# Altium PCB srn-0006.PcbDoc (part 2 of 2)
Units mm, origin at the board's own origin, x right, y up, seen from the top; angles counter-clockwise.
Board outline 140 x 46.5 mm, 2 copper layers (Top Layer, Bottom Layer), stack 1.57 mm thick; 89 components, 59 nets, 288 pads, 123 vias.
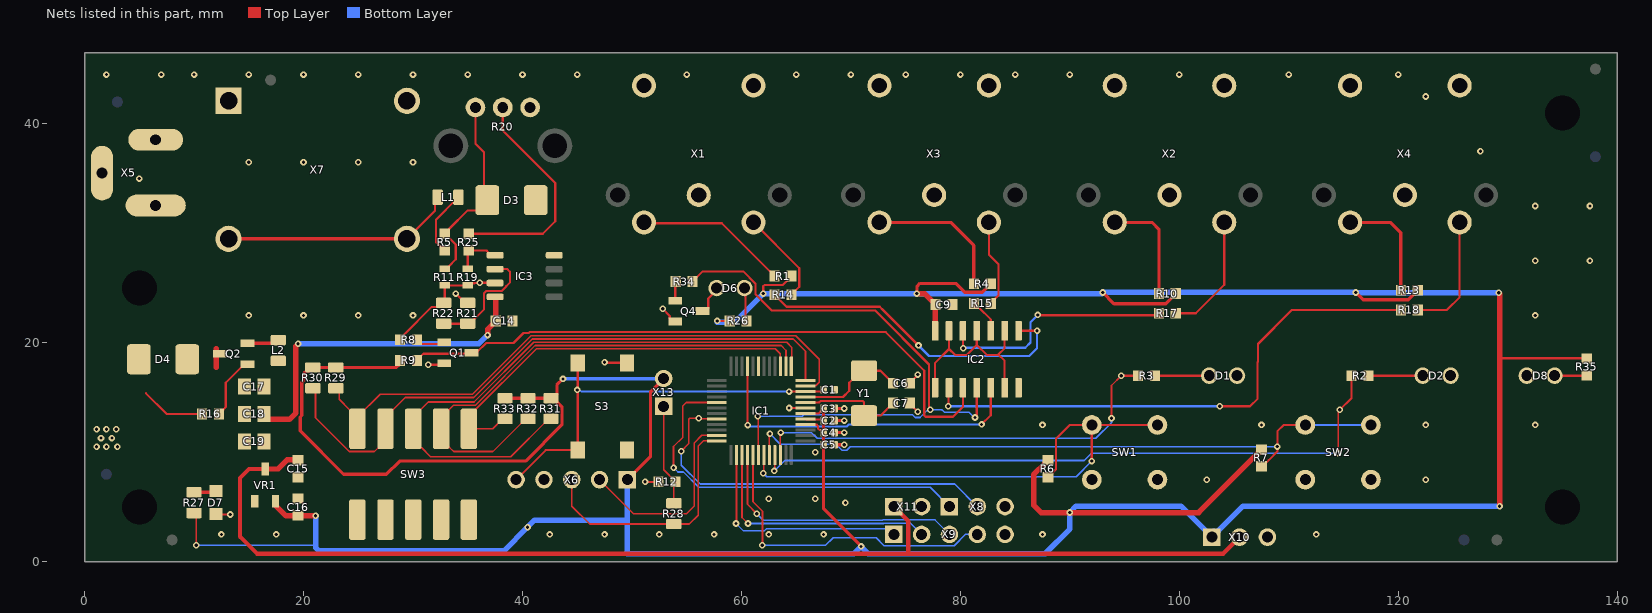
[diagram p2: the nets of this part, all layers, seen from the top]

## Via types
v1: diameter 0.6, hole 0.3, Top Layer to Bottom Layer, 123 vias

## Nets (pads, with @x,y where several pads share a name; then routed paths per layer and width w, separated by ;. In a path a pad name is that pad's centre, name@x,y a point inside that pad or via, vN(x,y) a via of type N, cw(c..) or ccw(c..) an arc to the next point about the centre after c; other vN are vias at no path point)
3V3: C2.2 C3.2 C4.2 C5.2 C9.2 C16.2 IC1.4 IC1.5 IC1.6 IC2.14 R1.1 R4.1 R6.2 R7.2 R9.2 R10.1 R13.1 R26.2 R27.1 R29.2 R30.2 R31.2 R32.2 R33.2 R35.2 VR1.2 X6.1 X10.1 X13.2 | length 399.3
  Top Layer w0.15: R27.1@10,4.45 10.2,4.25 v1(10.2,1.5)
  Top Layer w0.2: v1(40.463,3.163) v1@40.463,3.237 ; v1(57.8,22) R26.2@58.93,22 ; v1(62,24.5) 62,25.164 62.117,25.281 63.776,25.281 R1.1@64.595,26.1 ; IC1.4@65.85,12.55 65.89,12.51 66.883,12.51 67,12.393 67,12.164 67.116,12.047 67.3,12.047 67.5,11.847 C4.2@67.5,11.8 ; IC1.5@65.85,13.05 65.89,13.01 67.39,13.01 C2.2@67.5,12.9 ; IC1.6@65.85,13.55 67.05,13.55 67.25,13.75 67.3,13.75 67.5,13.95 C3.2@67.5,14 ; v1(129.175,24.575) 129.175,18.6 R35.2@137.2,18.6
  Top Layer w0.3: C16.2@19.47,4.2 C16.2@19.5,4.23 ; R9.2@28.73,18 28.48,17.75 R29.2@22.95,17.75 21,17.75 20.675,17.425 20.226,17.425 20.05,17.249 20.05,16.58 19.85,16.38 19.85,13.365 19.7,13.215 19.7,11.951 23.651,8 27.576,8 28.776,9.2 40.28,9.2 43.6,12.52 43.6,14.175 R31.2@42.825,14.95 ; R33.2@38.4,14.95 R32.2@40.5,14.95 R31.2@42.6,14.95 R31.2@42.825,14.95 ; v1(43.7,16.7) 43.15,16.15 43.15,15.275 R31.2@42.825,14.95 ; X6.1@49.58,7.5 51.7,9.62 51.7,15.54 X13.2@52.9,16.74 ; C3.2@67.5,13.95 C2.2@67.5,12.9 67.5,11.85 C4.2@67.5,11.8 C5.2@67.5,10.7 67.5,4.825 v1(70.925,1.4) ; v1(76,24.5) 76.038,24.538 76.038,25.163 76.3,25.425 79.575,25.425 80.39,24.61 82.005,24.61 82.77,25.375 R4.1@82.77,25.4 ; v1(93,24.6) 94.025,23.575 98.77,23.575 99.67,24.475 R10.1@99.67,24.5 ; R7.2@107.47,10.3 R7.2@107.5,10.27 ; v1(116.1,24.6) 116.775,23.925 120.92,23.925 121.77,24.775 R13.1@121.77,24.8
  Top Layer w0.5: VR1.2@17.45,5.525 17.45,5.15 18.4,4.2 19.47,4.2 v1(21.1,4.2) ; v1(76,24.5) 76.73,24.5 C9.2@77.73,23.5 77.69,23.46 IC2.14@77.69,21.1 ; R6.2@88,9.27 87.975,9.27 87.76,9.055 87.76,9.03 86.691,7.961 86.691,5.184 87.375,4.5 v1(90,4.5) 101.75,4.5 106.05,8.8 106.61,9.36 ; 106.61,9.361 106.844,9.595 107.26,10.01 107.26,10.055 R7.2@107.439,10.055 ; v1(129.175,24.575) 129.175,24.548 129.25,24.473 129.25,18.6 v1(129.25,5.075)
  Bottom Layer w0.15: v1(10.2,1.5) 21.1,1.5
  Bottom Layer w0.3: v1(43.7,16.7) 43.72,16.72 52.88,16.72 X13.2@52.9,16.74
  Bottom Layer w0.5: v1(21.1,4.2) 21.1,1.5 21.1,1.293 21.393,1 38.3,1 v1(40.463,3.163) 41.1,3.8 49.58,3.8 ; 49.58,0.75 70.275,0.75 v1(70.925,1.4) 71.575,0.75 87.75,0.75 90,3 v1(90,4.5) 90.575,5.075 100.135,5.075 X10.1@102.96,2.25 ; 49.58,0.775 49.58,3.8 ; X6.1@49.58,7.5 49.58,3.8 ; v1@57.8,21.9 59.4,21.9 v1(62,24.5) ; v1@62,24.488 75.988,24.488 v1(76,24.5) 92.9,24.5 v1(93,24.6) v1(116.1,24.6) 116.125,24.575 v1(129.175,24.575) ; X10.1@103.15,2.4 X10.1@103.15,2.44 ; X10.1@103.15,2.769 X10.1@103.15,2.44 ; v1(129.25,5.075) 105.825,5.075 103.55,2.8 103.51,2.8 X10.1@103.15,2.44
5V0: C14.2 C15.2 C17.2 C18.2 C19.2 IC3.8 L2.2 VR1.3 X10.2 X11.1 | length 140.1
  Top Layer w0.3: C15.2@19.5,9.27 C15.2@19.53,9.3
  Top Layer w0.4: VR1.3@16.5,8.475 15.025,8.475 14.2,7.65 14.2,2.3 15.75,0.75 75.25,0.75 104,0.75 X10.2@105.5,2.25 ; X11.1@73.92,5.04 75.25,3.71 75.25,0.8
  Top Layer w0.5: C18.2@16.39,13.5 16.39,13.345 16.72,13.015 16.875,13.015 16.89,13 18.707,13 19.3,13.593 19.3,19.698 19.5,19.898 v1(19.5,19.925) ; VR1.3@16.5,8.475 17.675,8.475 18.5,9.3 19.47,9.3 C15.2@19.5,9.27 ; v1(36.812,20.712) 36.812,21.227 37.56,21.975 37.56,24.145 37.51,24.195 IC3.8@37.5,24.195
  Bottom Layer w0.5: v1(19.5,19.925) 36.025,19.925 v1(36.812,20.712)
BOOT0: R12.2 R28.1 X13.1 | length 9.4
  Top Layer w0.15: X13.1@52.9,14.254 52.9,8.395 53.97,7.325 R12.2@53.97,7.3 53.823,7.153 R28.1@53.823,5.35
BUTTON_1: IC1.43 R6.1 SW1.1 SW1.2 | length 49.3
  Top Layer w0.15: v1(62,8.1) 62.025,8.125 62.025,9.725 IC1.43@62.05,9.75
  Top Layer w0.2: R6.1@88,7.73 88.025,7.73 88.688,8.393 88.74,8.445 88.74,11.24 90,12.5 SW1.2@92,12.5 ; v1(92,9.2) 92,11.73 SW1.2@92,12.5 ; SW1.1@98,12.5 SW1.2@92,12.5
  Bottom Layer w0.15: v1(62,8.1) 62.325,7.775 90.575,7.775 v1(92,9.2)
Button_2: IC1.44 R7.1 SW2.1 SW2.2 | length 61.6
  Top Layer w0.15: IC1.44@62.55,9.75 62.55,11.65 v1(62.6,11.7)
  Top Layer w0.2: R7.1@107.65,8.775 107.65,8.855 R7.1@107.84,9.045 ; R7.1@107.92,9.045 108.15,9.275 108.95,10.075 v1(108.95,10.525) 108.95,11.925 109.525,12.5 SW2.2@111.5,12.5
  Bottom Layer w0.15: v1(62.6,11.7) 63.55,10.75 68.608,10.75 69.183,10.175 69.617,10.175 69.942,10.5 v1@108.975,10.5
  Bottom Layer w0.2: SW2.2@111.5,12.5 117.475,12.5 SW2.1@117.55,12.575
GND: C1.2 C2.1 C3.1 C4.1 C5.1 C6.2 C7.2 C9.1 C14.1 C15.1 C16.1 C17.1 C18.1 C19.1 D1.1 D2.1 D3.A1 D4.A1 D7.K D8.1 IC1.7 IC2.7 IC3.4 Q1.2 Q4.2 R12.1 R16.1 R20.1 R21.1 S3.2 S3.4 SW1.3 SW1.4 SW2.3 SW2.4 SW3.6 SW3.7 SW3.8 SW3.9 SW3.10 VR1.1 X1.2 X1.6 X1.7 X2.2 X2.6 X2.7 X3.2 X3.6 X3.7 X4.2 X4.6 X4.7 X5.2 X5.3 X6.4 X7.1 X8.3 X9.5 X10.3 X11.2 | length 22.2
  Top Layer w0.2: 5.6,15.4 7.5,13.5 R16.1@10.73,13.5 ; D7.K@12,4.35 12.033,4.317 v1(13.317,4.317) ; v1(31.4,18) 32.8,18 Q1.2@32.85,17.95 ; v1(33.9,24.5) 33.915,24.5 34.755,23.66 R21.1@35.066,23.66 ; v1(47.5,18.225) 47.55,18.175 S3.4@49.55,18.175 ; v1(51.2,7.3) R12.1@52.43,7.3 ; v1(52.8,23.1) 53.45,22.45 53.45,22.2 53.7,21.95 Q4.2@53.95,21.95 ; v1(64.35,14.05) IC1.7@65.85,14.05 ; C7.2@75.37,14.5 75.735,14.135 75.735,14.065 v1(76.1,13.7) ; C6.2@75.37,16.3 75.37,16.325 76.1,17.055 v1(76.1,17.1)
  Top Layer w0.3: C5.1@68.5,10.7 v1@69.3,10.7 ; C4.1@68.5,11.8 v1@69.3,11.8 ; C2.1@68.5,12.9 v1@69.3,12.9 ; C3.1@68.5,14 v1@69.3,14
  other v1: 12.5,2.5 17.5,2.5 42.5,2.5 47.5,2.5 52.5,2.5 57.5,2.5 62.5,2.5 67.5,2.5 87.5,2.5 112.5,2.5 69.5,5.4 62.5,5.75 66.75,5.75 102.5,7.5 122.5,7.5 66.75,10 1.1,10.5 2,10.5 3,10.5 69.4,10.7 1.5,11.3 2.5,11.3 69.4,11.8 1.1,12.1 2,12.1 2.9,12.1 87.5,12.5 107.5,12.5 122.5,12.5 132.5,12.5 69.4,12.9 69.4,14 15,22.5 20,22.5 25,22.5 30,22.5 132.5,22.5 132.5,27.5 137.5,27.5 132.5,32.5 137.5,32.5 5,35 15,36.5 20,36.5 25,36.5 30,36.5 127.5,37.5 122.5,42.5 2,44.5 7,44.5 10,44.5 15,44.5 20,44.5 25,44.5 30,44.5 35,44.5 40,44.5 45,44.5 55,44.5 65,44.5 70,44.5 75,44.5 80,44.5 85,44.5 90,44.5 100,44.5 110,44.5 120,44.5
LED1: IC1.45 R2.2 | length 61.2
  Top Layer w0.15: v1(63,8.3) 63.05,8.35 IC1.45@63.05,9.75 ; v1(114.5,9.9) 114.5,13.626 114.656,13.782 v1(114.656,13.877)
  Top Layer w0.2: v1(114.656,13.877) 115.73,14.951 R2.2@115.73,17
  Bottom Layer w0.15: v1(63,8.3) 63.95,9.25 91.308,9.25 91.958,9.9 v1(114.5,9.9)
LED2: IC1.46 R3.2 | length 39.3
  Top Layer w0.15: IC1.46@63.55,9.75 63.55,11.75 v1(63.6,11.8) ; v1(93.8,13.1) 93.8,16.1 v1(94.7,17)
  Top Layer w0.2: v1(94.7,17) R3.2@96.23,17
  Bottom Layer w0.15: v1(63.6,11.8) 66.407,11.8 66.932,11.275 92.366,11.275 93.8,12.709 v1(93.8,13.1)
MIDI_1: R14.2 X1.5 | length 8.6
  Top Layer w0.2: X1.5@61.1,31 65.285,26.815 65.285,25.115 R14.2@64.57,24.4
MIDI_2: R15.2 X3.5 | length 8.1
  Top Layer w0.2: X3.5@82.6,31 82.6,28.075 83.485,27.19 83.485,24.34 82.77,23.625 R15.2@82.77,23.6
MIDI_3: R17.2 X2.5 | length 11.2
  Top Layer w0.2: R17.2@99.67,22.7 101.5,22.7 104.1,25.3 X2.5@104.1,31 X2.5@104.125,30.975
MIDI_4: R18.2 X4.5 | length 11.3
  Top Layer w0.2: R18.2@121.77,23.13 R18.2@121.77,23 124.425,23 125.6,24.175 X4.5@125.6,31
NetC6_1: C6.1 IC1.9 Y1.2 | length 9.9
  Top Layer w0.2: IC1.9@65.85,15.05 69.275,15.05 69.85,15.625 69.85,16.35 70.95,17.45 Y1.2@71.2,17.45 72.705,17.45 73.83,16.325 C6.1@73.83,16.3
NetC7_1: C7.1 IC1.8 Y1.1 | length 9.8
  Top Layer w0.2: IC1.8@65.85,14.55 67.09,14.55 67.24,14.7 71.083,14.7 71.2,14.583 Y1.1@71.2,13.35 72.705,13.35 73.83,14.475 C7.1@73.83,14.5
NetD1_2: D1.2 R3.1 | length 5
  Top Layer w0.2: R3.1@97.77,17 D1.2@102.73,17
NetD2_2: D2.2 R2.1 | length 5
  Top Layer w0.2: R2.1@117.27,17 D2.2@122.23,17
NetD3_A2: D3.A2 R5.1 R11.2 R20.3 | length 18.1
  Top Layer w0.2: R11.2@32.9,26.75 33.1,26.75 33.3,26.95 33.3,27.025 33.9,27.625 33.9,28.979 33.29,29.589 33.29,29.605 R5.1@32.925,29.97 ; R20.3@35.698,41.485 35.698,38.202 36.49,37.41 D3.A2@36.49,33.079 ; D3.A2@36.79,33.025 35.865,32.1 35,32.1 33.29,30.39 33.29,30.335 R5.1@32.925,29.97 ; R5.1@32.925,29.97 R5.1@32.9,29.97 R5.1@32.925,29.97
NetD6_1: D6.1 Q4.3 | length 2.9
  Top Layer w0.2: Q4.3@56.45,22.9 56.725,22.9 56.975,23.15 56.975,24.045 57.83,24.9 57.9,24.97 D6.1@57.9,25
NetD6_2: D6.2 R26.1 | length 3
  Top Layer w0.2: D6.2@60.3,24.9 60.37,24.83 60.37,22.1 R26.1@60.47,22
NetD7_A: D7.A R27.2 | length 2
  Top Layer w0.3: R27.2@10,6.35 11.9,6.35 D7.A@12,6.45
NetD8_2: D8.2 R35.1 | length 3
  Top Layer w0.2: D8.2@134.2,17 D8.2@134.27,17 137.17,17 R35.1@137.2,17.03
NetIC2_1: IC2.1 IC2.6 IC2.9 IC2.11 IC2.13 | length 18.2
  Top Layer w0.2: IC2.1@77.69,15.9 77.69,18.17 78.96,19.44 ; IC2.13@78.96,21.1 78.96,19.44 ; IC2.11@81.5,21.1 81.5,19.8 ; 83.47,18.93 84.04,18.36 IC2.6@84.04,15.9 ; IC2.9@84.04,21.1 84.04,19.5 83.44,18.9 82.4,18.9 81.5,19.8 ; 78.96,19.44 79.5,18.9 80.6,18.9 81.5,19.8
NetIC2_2: IC2.2 R18.1 | length 49.7
  Top Layer w0.2: v1(78.9,14.2) 78.9,15.84 IC2.2@78.96,15.9 ; v1(103.7,14.2) 106.45,14.2 107.15,14.9 107.15,18.25 107.175,18.275 107.175,19.9 110.275,23 R18.1@120.23,23
  Bottom Layer w0.2: v1(78.9,14.2) v1@103.8,14.2
NetIC2_3: IC2.3 Q1.3 R9.1 | length 58.8
  Top Layer w0.2: R9.1@30.27,18 R9.1@30.27,18.025 ; R9.1@30.361,18.391 30.361,18.416 30.945,19 35.25,19 35.35,18.9 35.625,18.9 35.875,19.15 35.875,19.175 36.693,19.993 39.186,19.993 40.094,20.9 40.568,20.9 40.643,20.975 73.182,20.975 76.7,17.457 76.7,13.367 76.817,13.25 79.325,13.25 80.24,14.165 80.24,15.89 IC2.3@80.23,15.9
NetIC2_8: IC2.8 R14.1 | length 29.9
  Top Layer w0.2: R14.1@63.03,24.4 63.03,24.375 63.395,24.01 63.411,24.01 64.121,23.3 72.638,23.3 72.934,23.004 v1(76.175,19.763) ; IC2.8@85.31,21.1 v1(87,21.1)
  Bottom Layer w0.2: v1(76.175,19.763) 77.138,18.8 77.2,18.8 86.3,18.8 87,19.5 v1(87,21.1)
NetIC2_10: IC2.10 R15.1 | length 3.2
  Top Layer w0.2: R15.1@81.23,23.6 81.23,23.575 81.595,23.21 81.698,23.21 82.765,22.143 82.765,21.105 IC2.10@82.77,21.1
NetIC2_12: IC2.12 R17.1 | length 21.9
  Top Layer w0.2: IC2.12@80.23,21.1 80.24,21.09 80.24,19.51 v1(80.25,19.5) ; v1@87.075,22.525 97.955,22.525 R17.1@98.13,22.7
  Bottom Layer w0.2: v1(80.25,19.5) 80.3,19.55 85.925,19.55 86.4,20.025 86.4,21.875 v1(87.075,22.55)
NetIC3_5: IC3.5 R19.2 R25.1 | length 4.8
  Top Layer w0.2: R19.2@35,26.75 35,28.33 R25.1@35.1,28.43 36.708,28.43 36.856,28.282 36.856,28.201 37.052,28.005 IC3.5@37.5,28.005 IC3.5@37.975,28.005
NetIC3_6: IC3.6 R21.2 R22.1 | length 10.9
  Top Layer w0.2: R22.1@32.8,21.75 R21.2@35,21.75 35.215,21.75 35.588,22.124 35.588,22.147 36.475,23.034 36.475,24.511 36.709,24.745 38.121,24.745 38.525,25.149 38.525,25.175 38.85,25.5 38.85,26.485 38.6,26.735 IC3.6@37.5,26.735 IC3.6@37.493,26.743
NetIC3_7: IC3.7 R8.1 R11.1 R19.1 R22.2 | length 13.7
  Top Layer w0.2: R8.1@28.73,19.9 29.095,20.265 R8.1@29.095,20.295 ; R8.1@28.821,20.291 29.186,20.656 29.186,20.746 31.726,23.287 32.437,23.287 32.9,23.75 R11.1@32.9,25.25 35.1,25.25 35.3,25.45 35.602,25.45 35.617,25.465 IC3.7@37.5,25.465 37.483,25.482 36.117,25.482 v1(36.1,25.5)
NetL1_1: L1.1 X7.2 | length 21.3
  Top Layer w0.2: X7.2@29.45,29.5 32,32.05 32,32.9 L1.1@32.4,33.3
  Top Layer w0.3: X7.2@13.15,29.5 X7.2@29.45,29.5
NetL1_2: L1.2 R5.2 | length 6
  Top Layer w0.2: R5.2@32.9,28.43 32.875,28.43 32.11,29.195 32.11,31.26 34,33.15 L1.2@34,33.3
NetL2_1: L2.1 Q2.2 | length 2.9
  Top Layer w0.3: Q2.2@14.875,19.95 17.65,19.95 L2.1@17.75,20.05
NetQ1_1: Q1.1 R8.2 | length 2.6
  Top Layer w0.2: R8.2@30.27,19.9 32.8,19.9 Q1.1@32.85,19.85
NetQ2_1: Q2.1 R16.2 | length 5.8
  Top Layer w0.2: R16.2@12.27,13.5 12.27,13.525 12.635,13.89 12.66,13.89 12.9,14.13 12.9,16.35 14.6,18.05 Q2.1@14.875,18.05
NetQ4_1: Q4.1 R34.2 | length 1.9
  Top Layer w0.2: Q4.1@53.95,23.85 53.95,25.65 R34.2@54,25.7
NetR1_2: R1.2 X1.4 | length 14
  Top Layer w0.2: X1.4@51.175,30.925 58.205,30.925 62.64,26.49 62.665,26.49 63.03,26.125 R1.2@63.03,26.1
  Top Layer w0.3: X1.4@51.1,31 X1.4@51.175,30.925
NetR4_2: R4.2 X3.4 | length 13
  Top Layer w0.3: X3.4@72.6,31 79.125,31 81.23,28.895 R4.2@81.23,25.4
NetR10_2: R10.2 X2.4 | length 10.2
  Top Layer w0.3: X2.4@94.1,31 97.5,31 98.13,30.37 R10.2@98.13,24.5
NetR13_2: R13.2 X4.4 | length 10.3
  Top Layer w0.3: X4.4@115.6,31 119.275,31 120.23,30.045 R13.2@120.23,24.8
NetR20_2: R20.2 R25.2 | length 20.7
  Top Layer w0.2: R25.2@35.1,29.97 41.86,29.97 43,31.11 43,34.6 38.198,39.402 R20.2@38.198,41.485
PA0: IC1.11 R29.1 SW3.1 | length 53.2
  Top Layer w0.15: R29.1@23.1,15.85 23.25,15.7 23.25,14.849 24.18,13.919 24.19,13.919 24.92,13.189 SW3.1@24.92,13.179 ; SW3.1@24.92,12.15 24.92,12.371 24.92,12.591 24.92,12.812 24.92,13.033 24.92,13.22 27,15.3 35.427,15.3 40.777,20.65 64.95,20.65 67.1,18.5 67.1,16.4 66.775,16.075
PA1: IC1.12 R30.1 SW3.2 | length 57.6
  Top Layer w0.15: R30.1@21.1,16.1 21.1,13.162 24.187,10.075 26.475,10.075 27.485,11.085 27.485,13.189 28.218,13.922 28.222,13.922 29.3,15 35.551,15 40.901,20.35 64.725,20.35 65.85,19.225 IC1.12@65.85,16.55
PA2: IC1.13 R31.1 SW3.3 | length 56.1
  Top Layer w0.15: R31.1@42.6,13.05 42.375,13.05 38.925,9.6 31.591,9.6 30.787,10.404 30.732,10.404 30.025,11.111 30.025,13.225 31.4,14.6 35.576,14.6 41.026,20.05 64.125,20.05 64.6,19.575 64.6,17.9 IC1.13@64.55,17.85
PA3: IC1.14 R32.1 SW3.4 | length 47.5
  Top Layer w0.15: R32.1@40.5,13.05 40.275,13.05 37.3,10.075 33.71,10.075 33.34,10.444 33.231,10.444 32.565,11.111 32.565,13.189 33.288,13.912 33.312,13.912 33.7,14.3 35.7,14.3 41.15,19.75 63.625,19.75 64.075,19.3 64.075,17.875 IC1.14@64.05,17.85
PA4: IC1.15 R33.1 SW3.5 | length 37.1
  Top Layer w0.15: SW3.5@35.105,12.15 37.275,12.15 38.175,13.05 R33.1@38.4,13.05 ; SW3.5@35.105,13.222 35.105,13.281 41.274,19.45 63.1,19.45 63.55,19 IC1.15@63.55,17.85
  Top Layer w0.2: SW3.5@35.105,12.15 SW3.5@35.105,13.222
PD0: IC1.38 X9.1 | length 21.7
  Top Layer w0.15: v1(59.5,3.5) 59.55,3.55 IC1.38@59.55,9.75
  Bottom Layer w0.15: v1(59.5,3.5) 60.15,2.85 62.108,2.85 62.283,3.025 73.395,3.025 X9.1@73.92,2.5
  Bottom Layer w0.2: X9.1@74.38,2.5 X9.1@74.38,2.96
PD1: IC1.39 X9.2 | length 22.8
  Top Layer w0.15: IC1.39@60.05,9.75 60.05,4.05 v1(60.6,3.5)
  Bottom Layer w0.15: v1(60.6,3.5) 73.002,3.5 73.027,3.525 75.435,3.525 X9.2@76.46,2.5
PD2: IC1.40 X9.3 | length 24.1
  Top Layer w0.15: IC1.40@60.55,9.75 60.55,5.25 v1(61.4,4.4)
  Bottom Layer w0.15: v1(61.4,4.4) 62,3.8 72.878,3.8 72.903,3.825 77.675,3.825 X9.3@79,2.5
PD3: IC1.41 X9.4 | length 29.3
  Top Layer w0.15: IC1.41@61.05,9.75 61.05,5.492 61.925,4.617 61.925,1.525 v1(61.9,1.5)
  Bottom Layer w0.15: v1(61.9,1.5) 67.676,1.5 68.376,2.2 72.302,2.2 73.027,1.475 79.425,1.475 80.45,2.5 X9.4@81.54,2.5
PWR_IN: D4.A2 Q2.3 X5.1 | length 1.7
  Top Layer w0.5: 12.025,19.475 12.025,17.8 12.05,17.775
RESET: C1.1 IC1.10 S3.1 S3.3 X6.5 | length 37.3
  Top Layer w0.15: v1(64.35,15.55) IC1.10@65.85,15.55 67.35,15.55 C1.1@67.5,15.7
  Top Layer w0.2: X6.5@39.42,7.5 42.12,10.2 45.025,10.2 S3.1@45.05,10.225 ; S3.1@45.05,10.3 S3.3@45.05,18.175
  Bottom Layer w0.15: v1(45,15.7) 45.086,15.614 45.299,15.614 45.363,15.55 v1(64.35,15.55)
SWCLK: IC1.36 R28.2 X6.3 | length 23.2
  Top Layer w0.15: X6.3@44.5,7.5 44.5,5.082 46.132,3.45 R28.2@53.823,3.45 55.241,3.45 56.055,4.265 56.055,9.25 56.055,10.573 56.532,11.05 IC1.36@57.75,11.05
SWDIO: IC1.35 X6.2 | length 18.3
  Top Layer w0.15: X6.2@47.04,7.5 50.14,4.4 54.986,4.4 55.676,5.09 55.676,10.853 56.373,11.55 IC1.35@57.75,11.55
TRIGGER: IC1.42 IC2.4 R34.1 | length 57
  Top Layer w0.15: v1(61.5,13.3) 61.525,13.275 61.525,9.775 IC1.42@61.55,9.75
  Top Layer w0.2: R34.1@55.54,25.6 55.54,25.625 55.905,25.99 55.93,25.99 56.465,26.525 60.159,26.525 61.27,25.414 61.27,24.452 62.772,22.95 72.21,22.95 77.14,18.02 77.14,14.01 v1(77.25,13.9) ; v1@81.5,13.3 IC2.4@81.5,15.9
  Bottom Layer w0.15: v1(61.5,13.3) 65.557,13.3 65.682,13.425 75.633,13.425 75.883,13.175 76.317,13.175 76.956,13.814 77.236,13.814 77.25,13.8 v1@77.264,13.814 ; v1(77.25,13.9) 78.3,13.9 78.525,13.675 80.769,13.675 81.266,13.178 v1(81.332,13.178)
UART2_RX: IC1.19
UART2_TX: IC1.21 IC2.5 | length 30.6
  Top Layer w0.2: IC1.21@60.55,17.85 60.55,12.512 v1(60.571,12.491) ; v1(81.933,12.55) 82.77,13.387 IC2.5@82.77,15.9
  Bottom Layer w0.2: v1(60.571,12.491) 60.68,12.491 60.82,12.35 69.628,12.35 69.828,12.55 v1(81.933,12.55)
UART_1_RX: IC1.32 X8.2 | length 35.8
  Top Layer w0.15: v1(54.5,10.1) 55.199,10.799 55.199,13.012 55.287,13.1 v1(56.1,13.1) 56.15,13.05 IC1.32@57.75,13.05
  Bottom Layer w0.15: v1(54.5,10.1) 54.5,8.824 56.224,7.1 79.48,7.1 X8.2@81.54,5.04
  Bottom Layer w0.2: X8.2@81.54,5.04 X8.2@81.54,5.157
UART_1_TX: IC1.29 X8.1 | length 35.9
  Top Layer w0.15: v1(53.8,8.6) 53.8,10.528 54.655,11.382 54.655,14.255 54.95,14.55 IC1.29@57.75,14.55
  Bottom Layer w0.15: v1(53.8,8.6) 54.2,8.2 54.7,8.2 56.1,6.8 77.24,6.8 X8.1@79,5.04
pads on no net: FID1.0 FID2.0 FID3.0 FID4.0 FID5.0 FID6.0 FID7.0 FID8.0 IC1.1 IC1.2 IC1.3 IC1.16 IC1.17 IC1.18 IC1.20 IC1.22 IC1.23 IC1.24 IC1.25 IC1.26 IC1.27 IC1.28 IC1.30 IC1.31 IC1.33 IC1.34 IC1.37 IC1.47 IC1.48 IC3.1 IC3.2 IC3.3 R20.4 R20.5 X1.1 X1.3 X2.1 X2.3 X3.1 X3.3 X4.1 X4.3

## Polygon pours and split planes (outlines as drawn)
GND on Top Layer "Top Layer-No Net" (solid, remove dead copper, pour order 2): 0.5,46 139.5,46 139.5,0.5 0.5,0.5
GND on Bottom Layer "Top Layer-No Net" (solid, remove dead copper, pour order 3): 0.5,46 139.5,46 139.5,0.5 0.5,0.5

## Keep-outs
Top Layer:
  circle w0.254: c135,41 r3
  circle w0.254: c135,5 r3
  circle w0.254: c5,5 r3
  circle w0.254: c5,25 r3
  region: 59,16.5 64.5,16.5 64.5,11 59,11
Bottom Layer:
  circle w0.254: c5,25 r3
  circle w0.254: c5,5 r3
  circle w0.254: c135,5 r3
  circle w0.254: c135,41 r3

## Other copper
Top Layer:
  region net GND: 0.775,9.9 3.325,9.9 3.7,10.275 3.7,14.549 4.251,15.1 5.9,15.1 5.9,20.975 5.375,21.5 3.307,21.5 1.5,23.307 1.5,27.138 3.5,29.138 3.5,35.175 4.325,36 9.816,36 10.5,36.684 10.5,39.227 9.727,40 1.343,40 0.5,39.157 0.5,15.1 0.5,10.175
  region net 5V0: 15.8,19 18.5,19 18.5,17.75 15.8,17.75
  region net PWR_IN: 8.1,19.9 13.5,19.9 13.5,19 13.75,19 13.75,18 13.25,18 13.25,17.1 8.1,17.1
  region net 5V0: 16.8,19 15.8,19 15.8,9 16.2,9 16.2,7.9 17,7.9 17,9.5 17,18 16.8,18
  region net PWR_IN: 9.5,34 4.45,34 3.7,33.25 3.7,29.162 6.34,29.162 8.4,27.102 8.4,17.1 10.5,17.1 10.5,33
  text ".Layer_Name" at 143.275,21.716 h1.2
  text ".Layer_Name" at 186.075,19.716 h1.2
Bottom Layer:
  region net GND: 0.5,13.5 5.1,13.5 5.1,9.5 0.5,9.5
  text ".Layer_Name" at 143.275,21.716 h1.2
  text ".Layer_Name" at 186.075,19.716 h1.2

## Silkscreen, mask and mechanical layers (free items; w line width, h text height)
Top Overlay:
  region: 122.663,14.627 122.663,14.617 122.663,14.608 122.663,14.598 122.663,14.589 122.663,14.579 122.653,14.579 122.653,14.589 122.653,14.598 122.653,14.608 122.653,14.617 122.653,14.627 122.653,14.636 122.663,14.636
  lines w0.15: 24.15,14.85 24.15,17.4 36.386,17.4 36.4,17.386 36.4,14.85 24.15,14.85
  lines w0.17: 73,6.325 73,13.25 73.25,13.5 85,13.5 85.35,13.15 85.35,5.929 ; 73,9.75 85.25,9.75
  text "BOOT0" at 50.925,19.175 h1
  text ".Layer_Name" at 143.075,17.716 h1.2
  text ".Layer_Name" at 186.075,17.716 h1.2
  text "Variant:" at 195.025,16.866 h1.2
  text "1" at 24.654,15.279 h1.52
  text "2" at 26.994,15.279 h1.52
  text "3" at 29.759,15.279 h1.52
  text "4" at 32.299,15.279 h1.52
  text "5" at 34.839,15.279 h1.52
  text "ATS Rev 2.1" at 128,12.5 h1
  text "srn-0006" at 128,11 h1
  text "5V0" at 74.35,10.5 h1 r90
  text "GND" at 77,10.25 h1 r90
  text "TX" at 79.5,10.25 h1 r90
  text "RX" at 82,10.25 h1 r90
  text "GND" at 85,10.25 h1 r90
  text "2022/02/12" at 128,9.5 h1
  text "PWR" at 6.975,8.75 h1
  text "PD0" at 74.25,6.75 h1 r90
  text "PD1" at 77,6.75 h1 r90
  text "PD2" at 79.5,6.75 h1 r90
  text "PD3" at 82,6.75 h1 r90
  text "GND" at 85,6.75 h1 r90
  text "3V3" at 103.5,4 h1 r90
  text "5V0" at 106,4 h1 r90
  text "GND" at 108.25,4 h1 r90
  text "GND" at 42.373,2.989 h1 r90
  text "3V3" at 50.25,2.75 h1 r90
  text "RESET" at 39.75,1 h1 r90
  text "SWCLK" at 44.75,1 h1 r90
  text "SWDIO" at 47.75,1 h1 r90
Bottom Overlay:
  text ".Layer_Name" at 143.775,8.15 h1.2
  text ".Layer_Name" at 186.775,8.15 h1.2
  text "Variant:" at 195.725,7.3 h1.2
Top Paste:
  text ".Layer_Name" at 143.075,15.716 h1.2
  text ".Layer_Name" at 186.075,15.716 h1.2
Bottom Paste:
  text ".Layer_Name" at 143.775,2.2 h1.2
  text ".Layer_Name" at 186.775,2.2 h1.2
Top Solder:
  circle w2: c135,41 r1.118
  circle w2: c135,5 r1.118
  circle w2: c5,5 r1.118
  circle w2: c5,25 r1.118
  text ".Layer_Name" at 143.075,13.716 h1.2
  text ".Layer_Name" at 186.075,13.716 h1.2
Bottom Solder:
  text ".Layer_Name" at 143.775,0.2 h1.2
  text ".Layer_Name" at 186.775,0.2 h1.2
Outline:
  the board outline again, w0.05
  text ".Layer_Name" at 143.075,7.716 h1.2
  text ".Layer_Name" at 186.075,7.716 h1.2
Drill Drawing:
  circle w0.254: c145.102,39.992 r0.39
  circle w0.254: c145.102,39.992 r0.65
  rectangle: 8.1,19.9 8.4,22.6
  lines w0.254: 144.451,33.813 144.776,33.813 144.776,33.488 145.427,33.488 145.427,33.813 145.752,33.813 145.752,34.463 145.427,34.463 145.427,34.789 144.776,34.789 144.776,34.463 144.451,34.463 144.451,33.813 ; 144.451,36.74 144.776,36.74 145.102,36.415 145.427,36.74 145.752,36.74 145.427,37.065 145.752,37.39 145.427,37.39 145.102,37.716 144.776,37.39 144.451,37.39 144.776,37.065 144.451,36.74 ; 144.451,43.57 145.752,43.57 145.102,42.269 144.451,43.57 ; 144.451,45.196 145.102,45.521 145.752,45.196 145.427,45.846 145.752,46.497 145.102,46.172 144.451,46.497 144.776,45.846 144.451,45.196 ; 144.451,48.448 144.776,48.448 145.102,48.123 145.427,48.448 145.752,48.448 145.427,48.774 145.752,49.099 145.427,49.099 145.102,49.424 144.776,49.099 144.451,49.099 144.776,48.774 144.451,48.448 ; 144.451,51.375 144.776,51.375 144.776,51.05 145.427,51.05 145.427,51.375 145.752,51.375 145.752,52.026 145.427,52.026 145.427,52.351 144.776,52.351 144.776,52.026 144.451,52.026 144.451,51.375 ; 144.451,53.977 145.752,53.977 145.752,55.278 144.451,55.278 144.451,53.977 ; 144.711,33.943 144.906,33.943 144.906,33.748 145.297,33.748 145.297,33.943 145.492,33.943 145.492,34.333 145.297,34.333 145.297,34.528 144.906,34.528 144.906,34.333 144.711,34.333 144.711,33.943 ; 144.711,36.87 144.906,36.87 145.102,36.675 145.297,36.87 145.492,36.87 145.297,37.065 145.492,37.26 145.297,37.26 145.102,37.456 144.906,37.26 144.711,37.26 144.906,37.065 144.711,36.87 ; 144.711,43.31 145.492,43.31 145.102,42.529 144.711,43.31 ; 144.711,45.456 145.102,45.651 145.492,45.456 145.297,45.846 145.492,46.237 145.102,46.042 144.711,46.237 144.906,45.846 144.711,45.456 ; 144.711,54.237 145.492,54.237 145.492,55.018 144.711,55.018 144.711,54.237
  lines w0.381: 143.266,32.61 219.902,32.61 ; 143.266,56.026 219.902,56.026 ; 154.204,29.682 154.204,58.953 ; 168.01,29.682 168.01,58.953 ; 194.456,29.682 194.456,58.953 ; 204.516,29.682 204.516,58.953 ; 143.266,29.682 219.902,29.682 219.902,58.953 143.266,58.953 143.266,29.682
  text "Symbol" at 145.022,56.904 h1.41
  text "Hit Count" at 155.082,56.904 h1.41
  text "Finished Hole Size" at 168.888,56.904 h1.41
  text "Plated" at 195.334,56.904 h1.41
  text "Hole Type" at 205.394,56.904 h1.41
  text "1" at 155.082,53.977 h1.17
  text "1.000mm (39.37mil)" at 168.888,53.977 h1.17
  text "PTH" at 195.334,53.977 h1.17
  text "Slot" at 205.394,53.977 h1.17
  text "2" at 155.082,51.05 h1.17
  text "1.000mm (39.37mil)" at 168.888,51.05 h1.17
  text "PTH" at 195.334,51.05 h1.17
  text "Slot" at 205.394,51.05 h1.17
  text "2" at 155.082,48.123 h1.17
  text "2.200mm (86.61mil)" at 168.888,48.123 h1.17
  text "PTH" at 195.334,48.123 h1.17
  text "Round" at 205.394,48.123 h1.17
  text "4" at 155.082,45.196 h1.17
  text "1.600mm (62.99mil)" at 168.888,45.196 h1.17
  text "PTH" at 195.334,45.196 h1.17
  text "Round" at 205.394,45.196 h1.17
  text "4" at 155.082,42.269 h1.17
  text "3.200mm (125.98mil)" at 168.888,42.269 h1.17
  text "NPTH" at 195.334,42.269 h1.17
  text "Round" at 205.394,42.269 h1.17
  text "28" at 155.082,39.342 h1.17
  text "1.400mm (55.12mil)" at 168.888,39.342 h1.17
  text "PTH" at 195.334,39.342 h1.17
  text "Round" at 205.394,39.342 h1.17
  text "39" at 155.082,36.415 h1.17
  text "1.000mm (39.37mil)" at 168.888,36.415 h1.17
  text "PTH" at 195.334,36.415 h1.17
  text "Round" at 205.394,36.415 h1.17
  text "123" at 155.082,33.488 h1.17
  text "0.300mm (11.81mil)" at 168.888,33.488 h1.17
  text "PTH" at 195.334,33.488 h1.17
  text "Round" at 205.394,33.488 h1.17
  text "203 Total" at 155.082,30.561 h1.17
  text "Slot definitions :" at 145.022,27.614 h1.17
  text "Routed Path Length" at 165.339,27.614 h1.17
  text "= Calculated from tool start centre position to tool end centre position." at 187.021,27.614 h1.17
  text "Hole Length" at 165.339,25.545 h1.17
  text "= Routed Path Length + Tool Size = Slot length as defined in the PCB layout" at 179.023,25.545 h1.17
  text "PCB File:" at 195.725,11.3 h1.2
  text ".Pcb_File_Name_No_Path" at 209.225,11.3 h1.2
  text "Print Date:" at 195.725,9.3 h1.2
  text ".Print_Date" at 209.225,9.3 h1.2
  text "Variant:" at 195.725,7.3 h1.2
  text ".VariantName" at 209.225,7.3 h1.2

## Dimensions
0,46.5 to 140,46.5 on Dimensions Top
110,0 to 0,46.5 on Dimensions Top

## Text inside footprints (layer, text, board x,y; h text height)
D1: Top Overlay "+" at 101.05,16.65 h0.8
D2: Top Overlay "+" at 120.55,16.65 h0.8
D6: Top Overlay "+" at 61.95,25.35 h0.8 r180
D7: Top Overlay "+" at 12.3,7.95 h0.76 r180
D8: Top Overlay "+" at 135.95,17.35 h0.8 r180
Designator1: Top Layer "TOP" at 119.071,2.129 h1.2; Bottom Layer "BOT" at 122.271,2.129 h1.2